# Altium PCB IndependentSTM32.PcbDoc
Units mil, origin at the board's own origin, x right, y up, seen from the top; angles counter-clockwise.
Board outline 6000 x 4000 mil, 2 copper layers (Top Layer, Bottom Layer); 93 components, 58 nets, 417 pads, 86 vias.
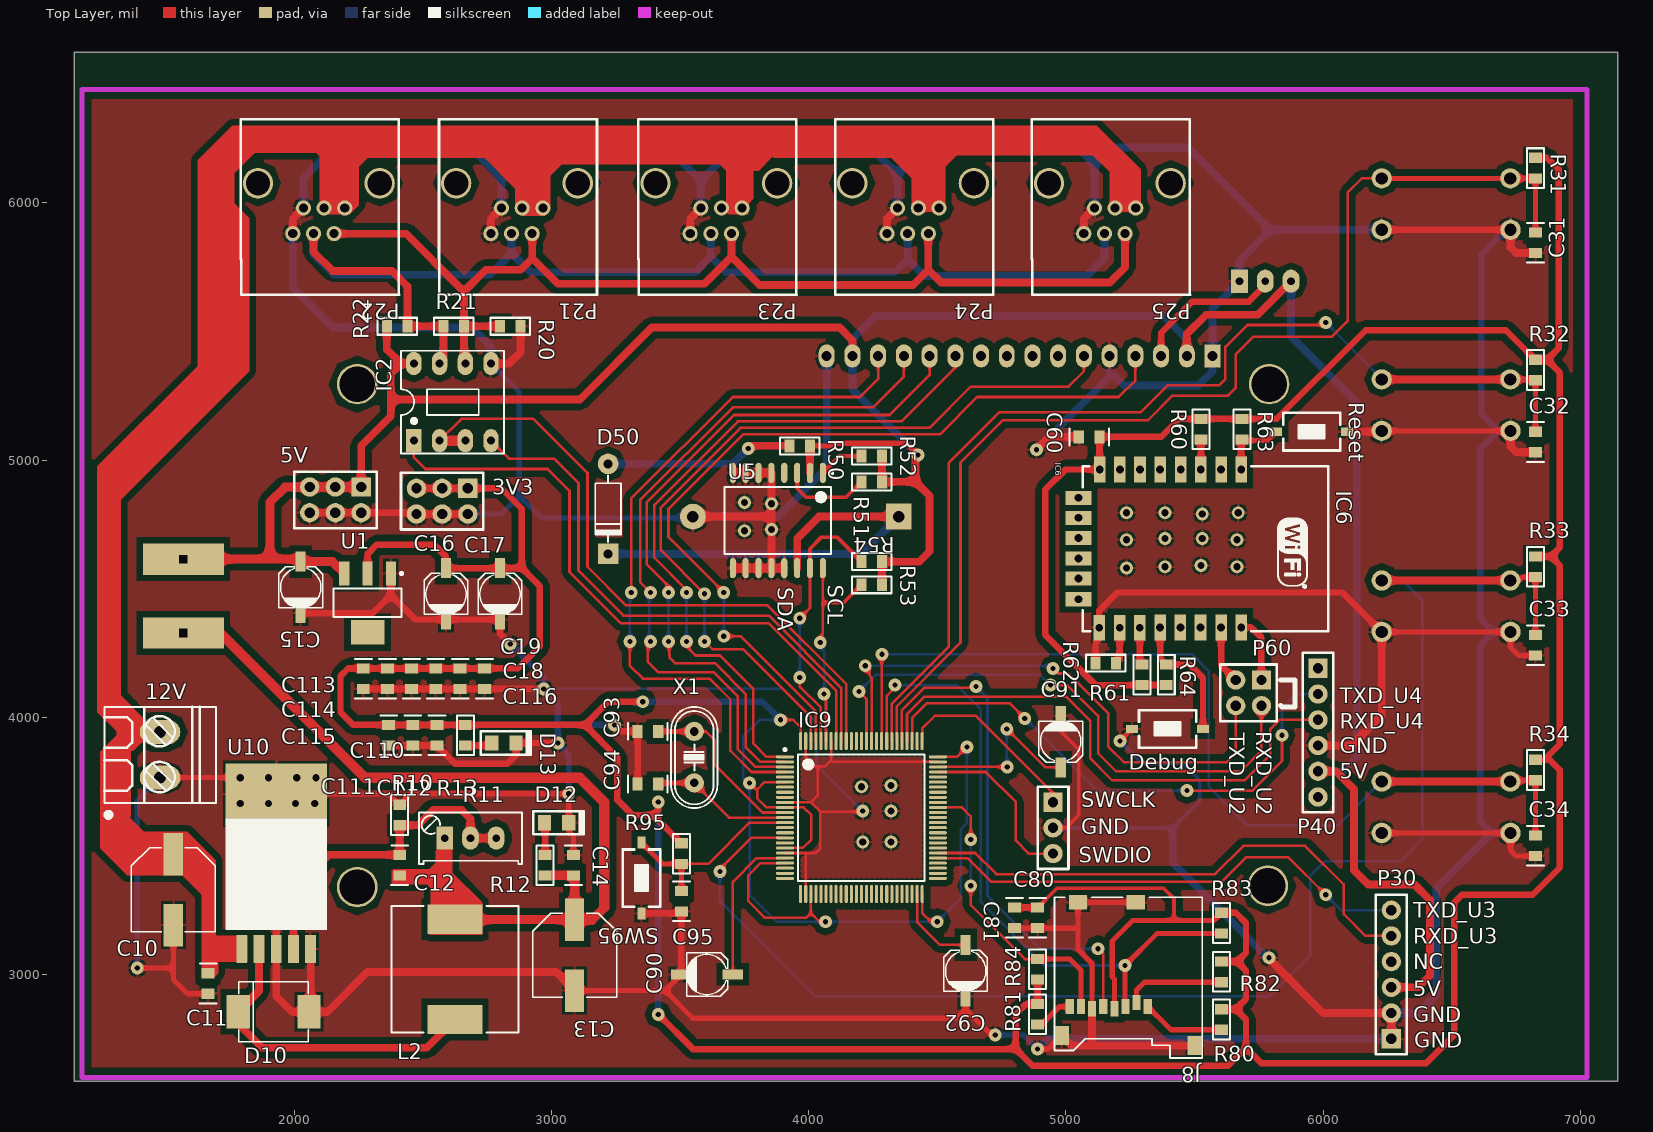
[diagram p0: Top Layer view]
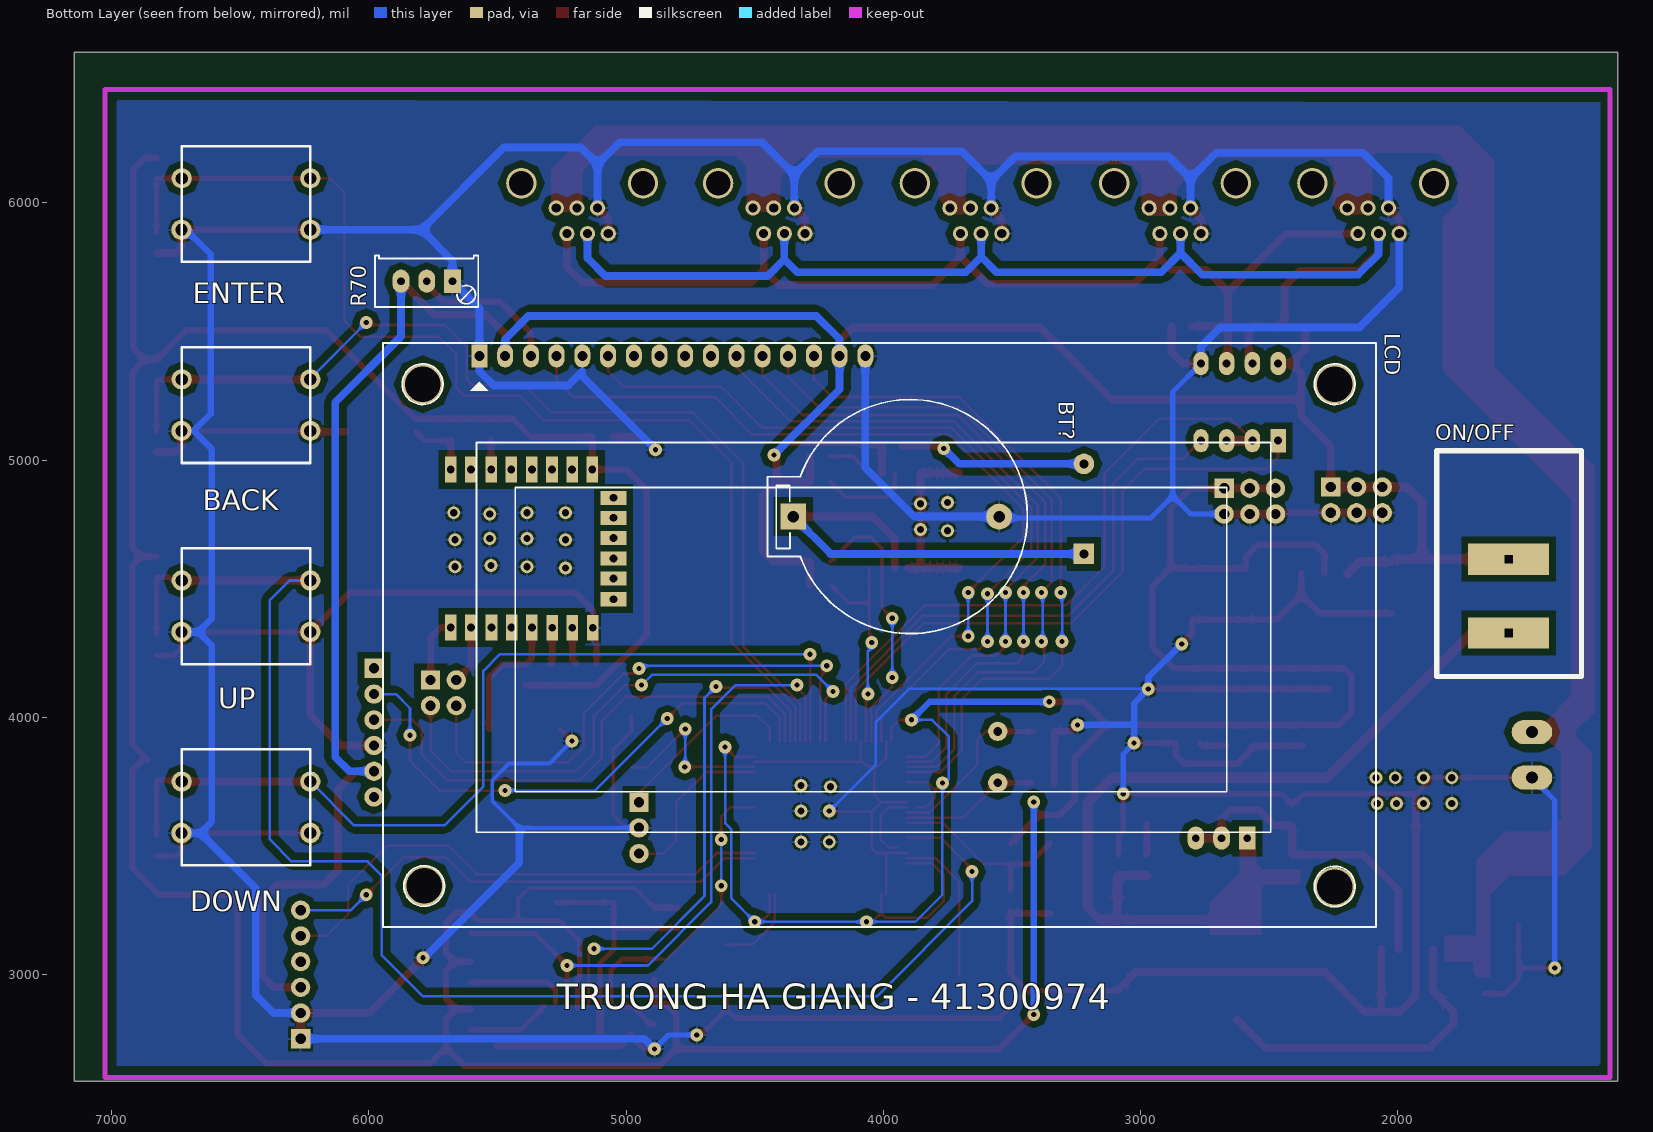
[diagram p1: Bottom Layer view, seen from below]
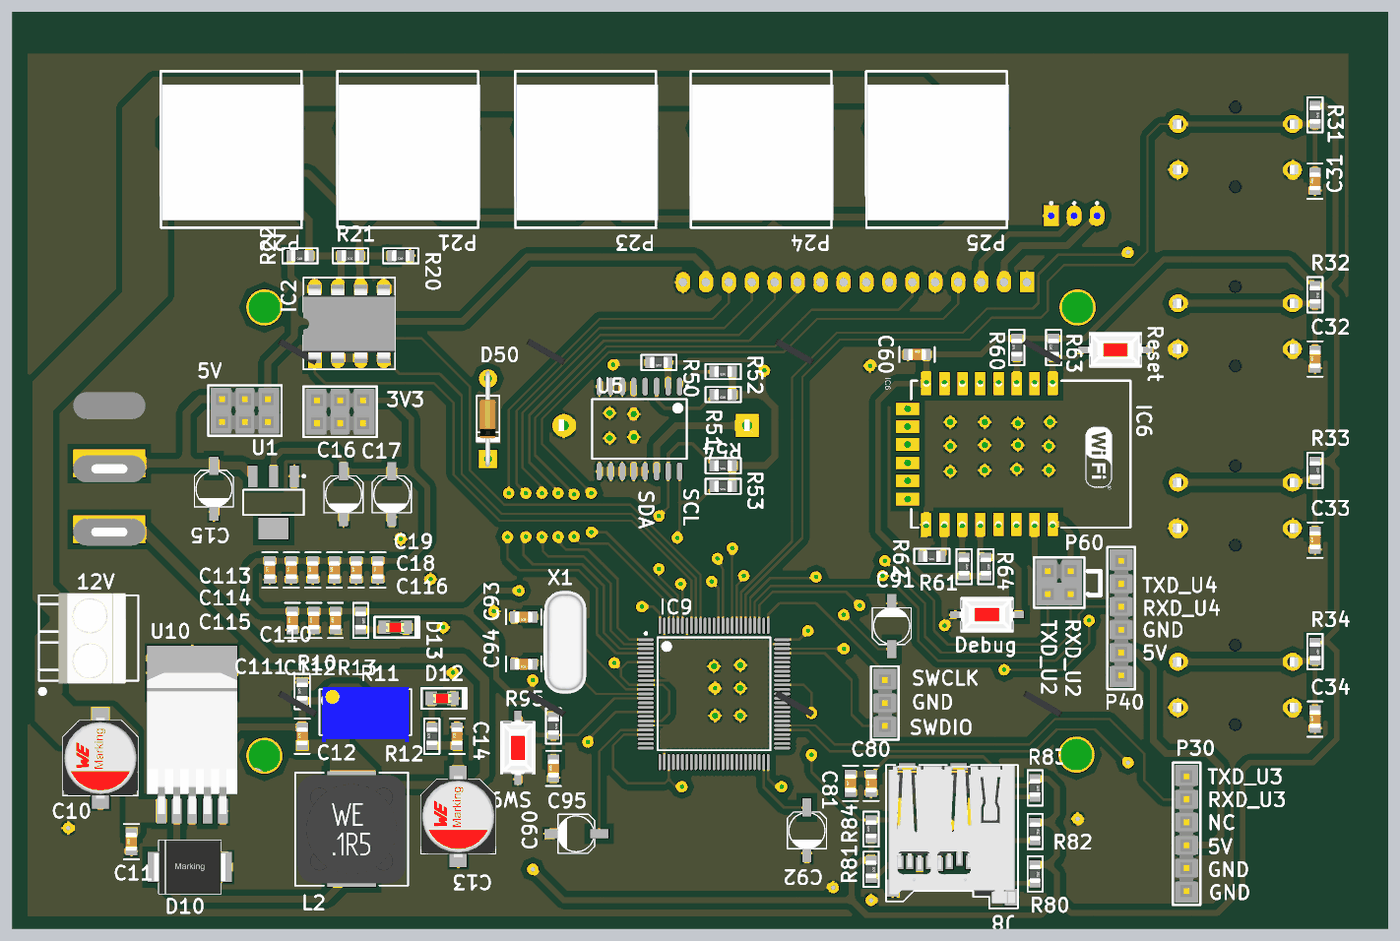
[diagram p2: 3D render of the assembled board from above, using the file's embedded part models]
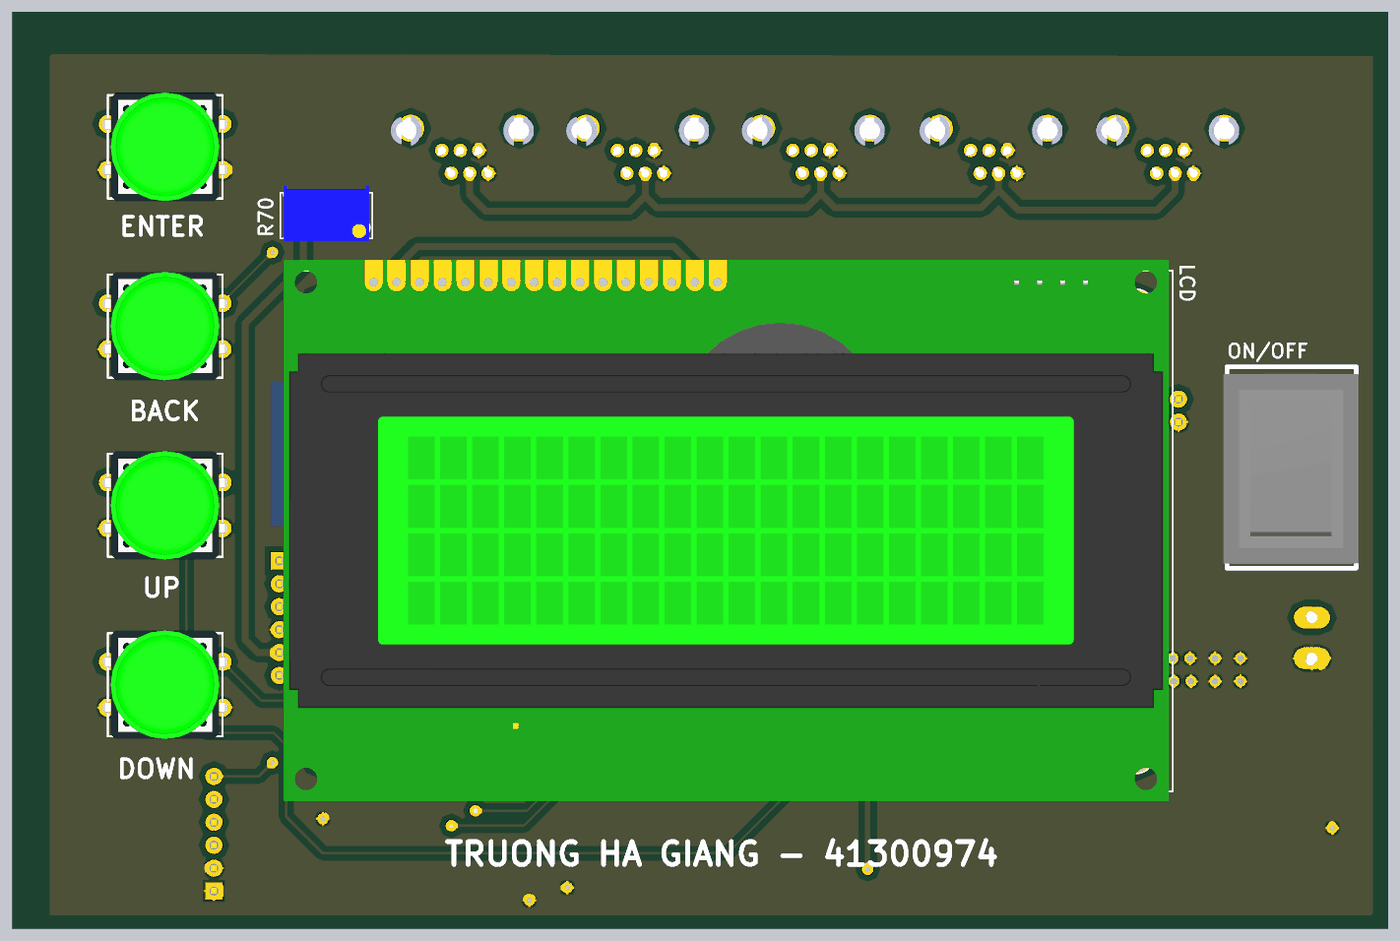
[diagram p3: 3D render of the assembled board from below, using the file's embedded part models]

## Layer stack, top to bottom
Top Solder: solder mask 0.4, Solder Resist, Dk 3.5
Top Layer: signal copper 1.4
Dielectric 1: dielectric 12.6, FR-4, Dk 4.8
Bottom Layer: signal copper 1.4
Bottom Solder: solder mask 0.4, Solder Resist, Dk 3.5

## Board outline
1145,2585 7145,2585 7145,6585 1145,6585

## Design rules (kind name [scope] priority, off if disabled: settings)
Clearance [All] p1: gap=25
PolygonConnect [All] p1: connectstyle=Relief reliefconductorwidth=10 reliefentries=4 polygonreliefangle="90 Angle" airgapwidth=10
RoutingVias [All] p1: holewidth=20 width=50 viastyle="Through Hole" minholewidth=20 minwidth=50 maxholewidth=20 maxwidth=50
SolderMaskExpansion [All] p1: expansion=4
Width [All] p1: maxlimit=40 minlimit=10 preferedwidth=10
30 further rules are at their usual default settings.

## Components (designator, comment, footprint, x,y, rotation, side; value= is the part's Value field where it differs from the comment)
3V3 "Header 3x2" "Header 3x2" 2675,4890 r180 top (schematic designator P11)
5V "Header 3x2" "Header 3x2" 2260,4895 r180 top (schematic designator P10)
12V "CON.Domino2" "Domino 2M" 1695,4040 r180 top (schematic designator J1)
BACK "SW-4P-B" SW-4P-B 6478.48,5213.33 r0 bottom (schematic designator SW32)
BT? "PIN 3V" PIN3V 4350,4780 r180 bottom
C10 "100uF" "WCAP-PSHP 8x8.7x3.1" 1530,3330 r270 top
C11 "104" CAP_SMD_0805 1665,2965 r90 top
C12 "Capacitor Ceramic" CAP_SMD_0805 2410,3425 r90 top
C13 "220uF" "WCAP-PSHP 8x8.7x3.1" 3090,3075 r270 top
C14 "104" CAP_SMD_0805 3085,3425 r90 top
C15 "10uF" Cap_smd_4_3MM 2025,4505 r270 top
C16 "10uF" Cap_smd_4_3MM 2590,4480 r270 top
C17 "10uF" Cap_smd_4_3MM 2800,4480 r270 top
C18 "Capacitor Ceramic" CAP_SMD_0805 2645,4150 r90 top
C19 "Capacitor Ceramic" CAP_SMD_0805 2740,4150 r90 top
C31 "Capacitor Ceramic" CAP_SMD_0805 6825,5845 r90 top
C32 "Capacitor Ceramic" CAP_SMD_0805 6825,5070 r90 top
C33 "Capacitor Ceramic" CAP_SMD_0805 6825,4280 r90 top
C34 "Capacitor Ceramic" CAP_SMD_0805 6825,3500 r90 top
C60 "104" CAP_SMD_0805 5090,5090 r0 top
C80 "Capacitor Ceramic" CAP_SMD_0805 4890,3220 r90 top
C81 "Capacitor Ceramic" CAP_SMD_0805 4800,3220 r90 top
C90 "10uF" Cap_smd_4_3MM 3605,3000 r180 top
C91 "10uF" Cap_smd_4_3MM 4980,3905 r90 top
C92 "10uF" Cap_smd_4_3MM 4610,3015 r270 top
C93 "Capacitor Ceramic" CAP_SMD_0805 3375,3945 r180 top
C94 "Capacitor Ceramic" CAP_SMD_0805 3375,3740 r180 top
C95 "Capacitor Ceramic" CAP_SMD_0805 3505,3285 r90 top
C110 "Capacitor Ceramic" CAP_SMD_0805 2366.76,3930 r90 top
C111 "Capacitor Ceramic" CAP_SMD_0805 2460.63,3930 r90 top
C112 "Capacitor Ceramic" CAP_SMD_0805 2554.5,3930 r90 top
C113 "Capacitor Ceramic" CAP_SMD_0805 2268.38,4150 r90 top
C114 "Capacitor Ceramic" CAP_SMD_0805 2362.25,4150 r90 top
C115 "Capacitor Ceramic" CAP_SMD_0805 2456.13,4150 r90 top
C116 "Capacitor Ceramic" CAP_SMD_0805 2550,4150 r90 top
D10 "SS34" DO-214AB_Unidirectional 1920,2855 r0 top
D12 "LED" "LED-0805 RED" 3020,3590 r0 top
D13 "LED" "LED-0805 RED" 2815,3900 r0 top
D50 "1N4007" D1A 3220,4985 r90 top
Debug "SW" SW-SMD 5395,3955 r180 top (schematic designator SW64)
DOWN "SW-4P-B" SW-4P-B 6478.48,3650 r0 bottom (schematic designator SW34)
ENTER "SW-4P-B" SW-4P-B 6478.48,5995 r0 bottom (schematic designator SW31)
IC2 "MAX485" DIP8/W0.3 2465,5075 r0 top
IC6 "ESP8266 ESP-12-E" "ESP8266 ESP-12-E" 5035,4310 r270 top
IC9 "STM32F407VGT6" STM-LQFP100_N 4205,3610 r0 top
J8 "SD&MMC" MicroSD 5015,2875 r180 top
L2 "Inductor Iron" "WE-PD 1260" 2625,3020 r90 top
LCD "LCD 20x4A" LCD20X4A 5570,5405 r180 bottom
ON/OFF "SW_BapBenh" SW_Bapbenh 1565,4355 r180 bottom (schematic designator SW1)
P21 "Header 8" RJ11 2925,5880 r180 top
P22 "Header 8" RJ11 2155,5880 r180 top
P23 "Header 8" RJ11 3700,5880 r180 top
P24 "Header 8" RJ11 4465,5880 r180 top
P25 "Header 8" RJ11 5230,5880 r180 top
P30 "Header 6" "Header 6" 6265,2750 r90 top
P40 "Header 6" "Header 6" 5980,4190 r270 top
P60 "Header 2x2" "Header 2x2" 5760,4145 r180 top
R10 "RES_SMD_0805" "DIEN TRO 0805" 2410,3620 r270 top
R11 "10K" VR1 2585,3530 r0 top
R12 "RES_SMD_0805" "DIEN TRO 0805" 2975,3425 r270 top
R13 "RES_SMD_0805" "DIEN TRO 0805" 2665,3930 r90 top
R20 "RES_SMD_0805" "DIEN TRO 0805" 2840,5520 r0 top
R21 "RES_SMD_0805" "DIEN TRO 0805" 2620,5520 r0 top
R22 "RES_SMD_0805" "DIEN TRO 0805" 2400,5520 r0 top
R31 "RES_SMD_0805" "DIEN TRO 0805" 6825,6135 r90 top
R32 "RES_SMD_0805" "DIEN TRO 0805" 6825,5350 r90 top
R33 "RES_SMD_0805" "DIEN TRO 0805" 6825,4585 r90 top
R34 "RES_SMD_0805" "DIEN TRO 0805" 6825,3795 r90 top
R50 "RES_SMD_0805" "DIEN TRO 0805" 3965,5055 r0 top
R51 "RES_SMD_0805" "DIEN TRO 0805" 4245,4915 r0 top
R52 "RES_SMD_0805" "DIEN TRO 0805" 4245,5015 r0 top
R53 "RES_SMD_0805" "DIEN TRO 0805" 4245,4515 r0 top
R54 "RES_SMD_0805" "DIEN TRO 0805" 4245,4605 r0 top
R60 "RES_SMD_0805" "DIEN TRO 0805" 5525,5120 r270 top
R61 "RES_SMD_0805" "DIEN TRO 0805" 5295,4165 r90 top
R62 "RES_SMD_0805" "DIEN TRO 0805" 5155,4210 r0 top
R63 "RES_SMD_0805" "DIEN TRO 0805" 5685,5120 r270 top
R64 "RES_SMD_0805" "DIEN TRO 0805" 5390,4165 r90 top
R70 "10K" VR1 5675,5695 r0 bottom
R80 "RES_SMD_0805" "DIEN TRO 0805" 5605,2825 r90 top
R81 "RES_SMD_0805" "DIEN TRO 0805" 4890,2845 r90 top
R82 "RES_SMD_0805" "DIEN TRO 0805" 5605,3010 r90 top
R83 "RES_SMD_0805" "DIEN TRO 0805" 5605,3200 r90 top
R84 "RES_SMD_0805" "DIEN TRO 0805" 4890,3020 r270 top
R95 "RES_SMD_0805" "DIEN TRO 0805" 3505,3470 r90 top
Reset "SW" SW-SMD 5955,5110 r0 top (schematic designator SW63)
SW95 "SW" SW-SMD 3350,3375 r270 top
SWCLK "Header 3" "Header 3" 4950,3670 r270 top (schematic designator P?)
U1 "L1117-3v3" SOT223-4N 2285,4445 r270 top
U5 "DS3231" SOIC16-W 4055,4950 r180 top
U10 "LM2596" TO263-5 1930,3100 r0 top
UP "SW-4P-B" SW-4P-B 6478.48,4431.67 r0 bottom (schematic designator SW33)
X1 "8Mhz" XT2 3555,3845 r90 top

## Footprints (in the part's own frame and the unit in brackets; to place one, negate y for a bottom-side part, rotate by r counter-clockwise, add the part's x,y. Pads: shape width x height; smd on the part's side, far side on the other; paste and mask are expansions set on the pad)
Cap_smd_4_3MM [mm] "10uF SMD"
  rect 2x1 smd: 1(-2.54,0) 2(2.54,0)
  silkscreen extent -2.03,-2.16 2.04,2.16, body extent -2.7,-2.16 2.73,2.09, height 4.51
CAP_SMD_0805 [mil] "Chip Resistor; Body 2.0 x 1.3 mm (LxW typ)"
  rect 39.37x50 smd: 1(-40,0) 2(40,0)
  silkscreen extent -77,-33 77,33, body extent -39,-25 39,25, height 31
D1A [mil] "Diode 1A, W 100mil, L 350mil"
  round 80 hole 35: 1(0,0)
  rect 80x80 hole 35: 2(-350,0)
  silkscreen extent -305,-50 -45,50, body extent -386,-33 34,36, height 84
"DIEN TRO 0805" [mil] "Chip Resistor; Body 2.0 x 1.3 mm (LxW typ)"
  rect 39.37x50 smd: 1(-40,0) 2(40,0)
  silkscreen extent -77,-33 77,33, body extent -39,-25 39,25, height 31
DIP8/W0.3 [mil] "8 PIN, W 300mil, Pin to pin 100mil"
  rect 60x90 hole 31: 1(0,0)
  oval 60x90 hole 31: 2(100,0) 3(200,0) 4(300,0) 5(300,300) 6(200,300) 7(100,300) 8(0,300)
  silkscreen extent -50,-50 350,350, body extent -50,-40 350,336, height 201
DO-214AB_Unidirectional [mm] "WE-TVSP Power TVS Diode, DO-214AB, Unidirectional"
  rect 2.3x3.3 smd: 1(-3.5,0) 2(3.5,0)
  silkscreen extent -3.43,-2.95 3.43,2.95, body extent -3.97,-2.95 3.97,2.95, height 2.5
"Domino 2M" [mm]
  oval 4x2.4 hole 1.2: 1(5.5,6.975) 2(5.5,2.475)
  silkscreen extent 0,0 11,10.9, body extent 1.35,-0.22 8.85,9.78, height 10
"ESP8266 ESP-12-E" [mil] "ESP8266 ESP-12-E"
  rect 100x45 hole 30: 1(-653,646) 2(-653,568) 3(-653,489) 4(-653,411) 5(-653,331) 6(-653,253) 7(-653,175) 8(-653,96) 15(-38,95) 16(-38,174) 17(-38,252) 18(-39,331) 19(-39,410) 20(-39,488) 21(-39,568) 22(-39,646)
  rect 55x100 hole 30: 9(-543,14) 10(-465,14) 11(-387,14) 12(-307,14) 13(-229,14) 14(-149,14)
  silkscreen extent -665,30 -25,985, body extent -661,37 -31,981, height 86
"Header 2x2" [mil] "Connector; Header; 4 Position; 2 Row; Solder Pad 35mil"
  rect 75x75 hole 40: 1(0,0)
  round 75 hole 40: 2(0,100) 3(100,0) 4(100,100)
  silkscreen extent -60,-60 160,160, body extent -50,-50 150,150, height 330
"Header 3" [mil] "Connector; Header; 3 Position; Solder Pad 35mil"
  rect 75x75 hole 40: 1(0,0)
  round 75 hole 40: 2(100,0) 3(200,0)
  silkscreen extent -60,-60 260,60, body extent -50,-50 250,50, height 83
"Header 3x2" [mil] "Connector; Header; 6 Position; 2 Row; Solder Pad 35mil"
  rect 75x75 hole 40: 1(0,0)
  round 75 hole 40: 2(0,100) 3(100,0) 4(100,100) 5(200,0) 6(200,100)
  silkscreen extent -60,-60 260,160, body extent -50,-50 250,150, height 83
"Header 6" [mil] "Connector; Header; 6 Position; Solder Pad 35mil"
  rect 75x75 hole 40: 1(0,0)
  round 75 hole 40: 2(100,0) 3(200,0) 4(300,0) 5(400,0) 6(500,0)
  silkscreen extent -60,-60 560,60, body extent -50,-50 550,50, height 330
LCD20X4A [mil] "LCD dipslay 20x4, 16 pin"
  rect 62x90 hole 39: 1(0,0)
  oval 62x90 hole 39: 2(100,0) 3(200,0) 4(300,0) 5(400,0) 6(500,0) 7(600,0) 8(700,0) 9(800,0) 10(900,0) 11(1000,0) 12(1100,0) 13(1200,0) 14(1300,0) 15(1400,0) 16(1500,0)
  round 157.48 hole 137.8: "Hole 0"(-220,-110) "Hole 0"(-215,-2060) "Hole 0"(3325,-2065) "Hole 0"(3325,-110)
  silkscreen extent -375,-2220 3485,50, body extent -392,-2264 3466,98, height 417
"LED-0805 RED" [mm] "Chip LED; RED; Body 2.0 x 1.3 mm (LxW typ) [2012]"
  rect 1.3x1.5 smd: 1(-1.204,0) 2(1.204,0)
  silkscreen extent -2.29,-1.14 2.67,1.14, body extent -1.01,-0.63 1.01,0.62, height 1.1
MicroSD [mm]
  rect 0.8x1.5 smd: 1(-7.7,0) 2(-6.6,-0.4) 3(-5.5,0) 4(-4.4,0.2) 5(-3.3,0) 6(-2.2,0.2) 7(-1.1,0) 8(0,0)
  rect 1.4x1.9 smd: 9(-12.332,3.85) 9(0.79,2.85)
  rect 1.8x1.4 smd: 10(-6.51,-10.3) 10(-0.81,-10.3)
  silkscreen extent -13.08,-10.8 1.52,5.08, body extent -12.75,-10.67 1.25,4.53, height 1.83
PIN3V [mil] "Socket PIN 3V"
  rect 100x100 hole 45: 1(0,0)
  round 100 hole 45: 2(800,0)
  silkscreen extent -100,-455 910,455, body extent -128,-447 1002,449, height 278
RJ11 [mm] "DIP 20, 20 PIN, W 300mil, Pin to pin 100mil"
  round 1.5 hole 0.9: 1(0,0) 2(2.04,0) 3(4.08,0) 4(-1.05,-2.53) 5(0.99,-2.53) 6(3.03,-2.53)
  round 3 hole 2.4: 7(-4.5,-4.98) 8(7.51,-4.98)
  silkscreen extent -6.43,-11.3 9.2,6.03, body extent -6.71,-9.8 9.11,5.19, height 12.87
SOIC16-W [mm] "SOIC, 16-Leads, Body 10.3x7.5mm, Pitch 1.27mm, IPC Medium Density"
  oval 0.6x2 smd: 1(0,0) 2(1.27,0) 3(2.54,0) 4(3.81,0) 5(5.08,0) 6(6.35,0) 7(7.62,0) 8(8.89,0) 9(8.89,9.4) 10(7.62,9.4) 11(6.35,9.4) 12(5.08,9.4) 13(3.81,9.4) 14(2.54,9.4) 15(1.27,9.4) 16(0,9.4)
  silkscreen extent -0.98,-0.12 9.69,8, body extent -0.8,0.9 9.69,8.5, height 2.67
SOT223-4N [mm] "SOT223, 4-Leads, Body 6.5x3.5mm, Pitch 2.3mm, Lead Span 7mm, IPC Medium Density"
  rect 2.4x1 smd: 1(-2.9,2.3) 2(-2.9,0) 3(-2.9,-2.3)
  rect 2.4x3.3 smd: 4(2.9,0)
  silkscreen extent -3.02,-3.35 1.4,3.48, body extent -1.85,-3.35 1.85,3.35, height 1.8
STM-LQFP100_N [mm] "Thin QFP, 100-Leads, Body 14x14mm, Pitch 0.5mm, IPC Medium Density"
  oval 1.8x0.3 smd: 1(-7.55,6) 2(-7.55,5.5) 3(-7.55,5) 4(-7.55,4.5) 5(-7.55,4) 6(-7.55,3.5) 7(-7.55,3) 8(-7.55,2.5) 9(-7.55,2) 10(-7.55,1.5) 11(-7.55,1) 12(-7.55,0.5) 13(-7.55,0) 14(-7.55,-0.5) 15(-7.55,-1) 16(-7.55,-1.5) 17(-7.55,-2) 18(-7.55,-2.5) 19(-7.55,-3) 20(-7.55,-3.5) 21(-7.55,-4) 22(-7.55,-4.5) 23(-7.55,-5) 24(-7.55,-5.5) 25(-7.55,-6) 51(7.55,-6) 52(7.55,-5.5) 53(7.55,-5) 54(7.55,-4.5) 55(7.55,-4) 56(7.55,-3.5) 57(7.55,-3) 58(7.55,-2.5) 59(7.55,-2) 60(7.55,-1.5) 61(7.55,-1) 62(7.55,-0.5) 63(7.55,0) 64(7.55,0.5) 65(7.55,1) 66(7.55,1.5) 67(7.55,2) 68(7.55,2.5) 69(7.55,3) 70(7.55,3.5) 71(7.55,4) 72(7.55,4.5) 73(7.55,5) 74(7.55,5.5) 75(7.55,6)
  oval 0.3x1.8 smd: 26(-6,-7.55) 27(-5.5,-7.55) 28(-5,-7.55) 29(-4.5,-7.55) 30(-4,-7.55) 31(-3.5,-7.55) 32(-3,-7.55) 33(-2.5,-7.55) 34(-2,-7.55) 35(-1.5,-7.55) 36(-1,-7.55) 37(-0.5,-7.55) 38(0,-7.55) 39(0.5,-7.55) 40(1,-7.55) 41(1.5,-7.55) 42(2,-7.55) 43(2.5,-7.55) 44(3,-7.55) 45(3.5,-7.55) 46(4,-7.55) 47(4.5,-7.55) 48(5,-7.55) 49(5.5,-7.55) 50(6,-7.55) 76(6,7.55) 77(5.5,7.55) 78(5,7.55) 79(4.5,7.55) 80(4,7.55) 81(3.5,7.55) 82(3,7.55) 83(2.5,7.55) 84(2,7.55) 85(1.5,7.55) 86(1,7.55) 87(0.5,7.55) 88(0,7.55) 89(-0.5,7.55) 90(-1,7.55) 91(-1.5,7.55) 92(-2,7.55) 93(-2.5,7.55) 94(-3,7.55) 95(-3.5,7.55) 96(-4,7.55) 97(-4.5,7.55) 98(-5,7.55) 99(-5.5,7.55) 100(-6,7.55)